# Altium PCB PCB SOM AM625.PcbDoc (part 1 of 6) (continued)
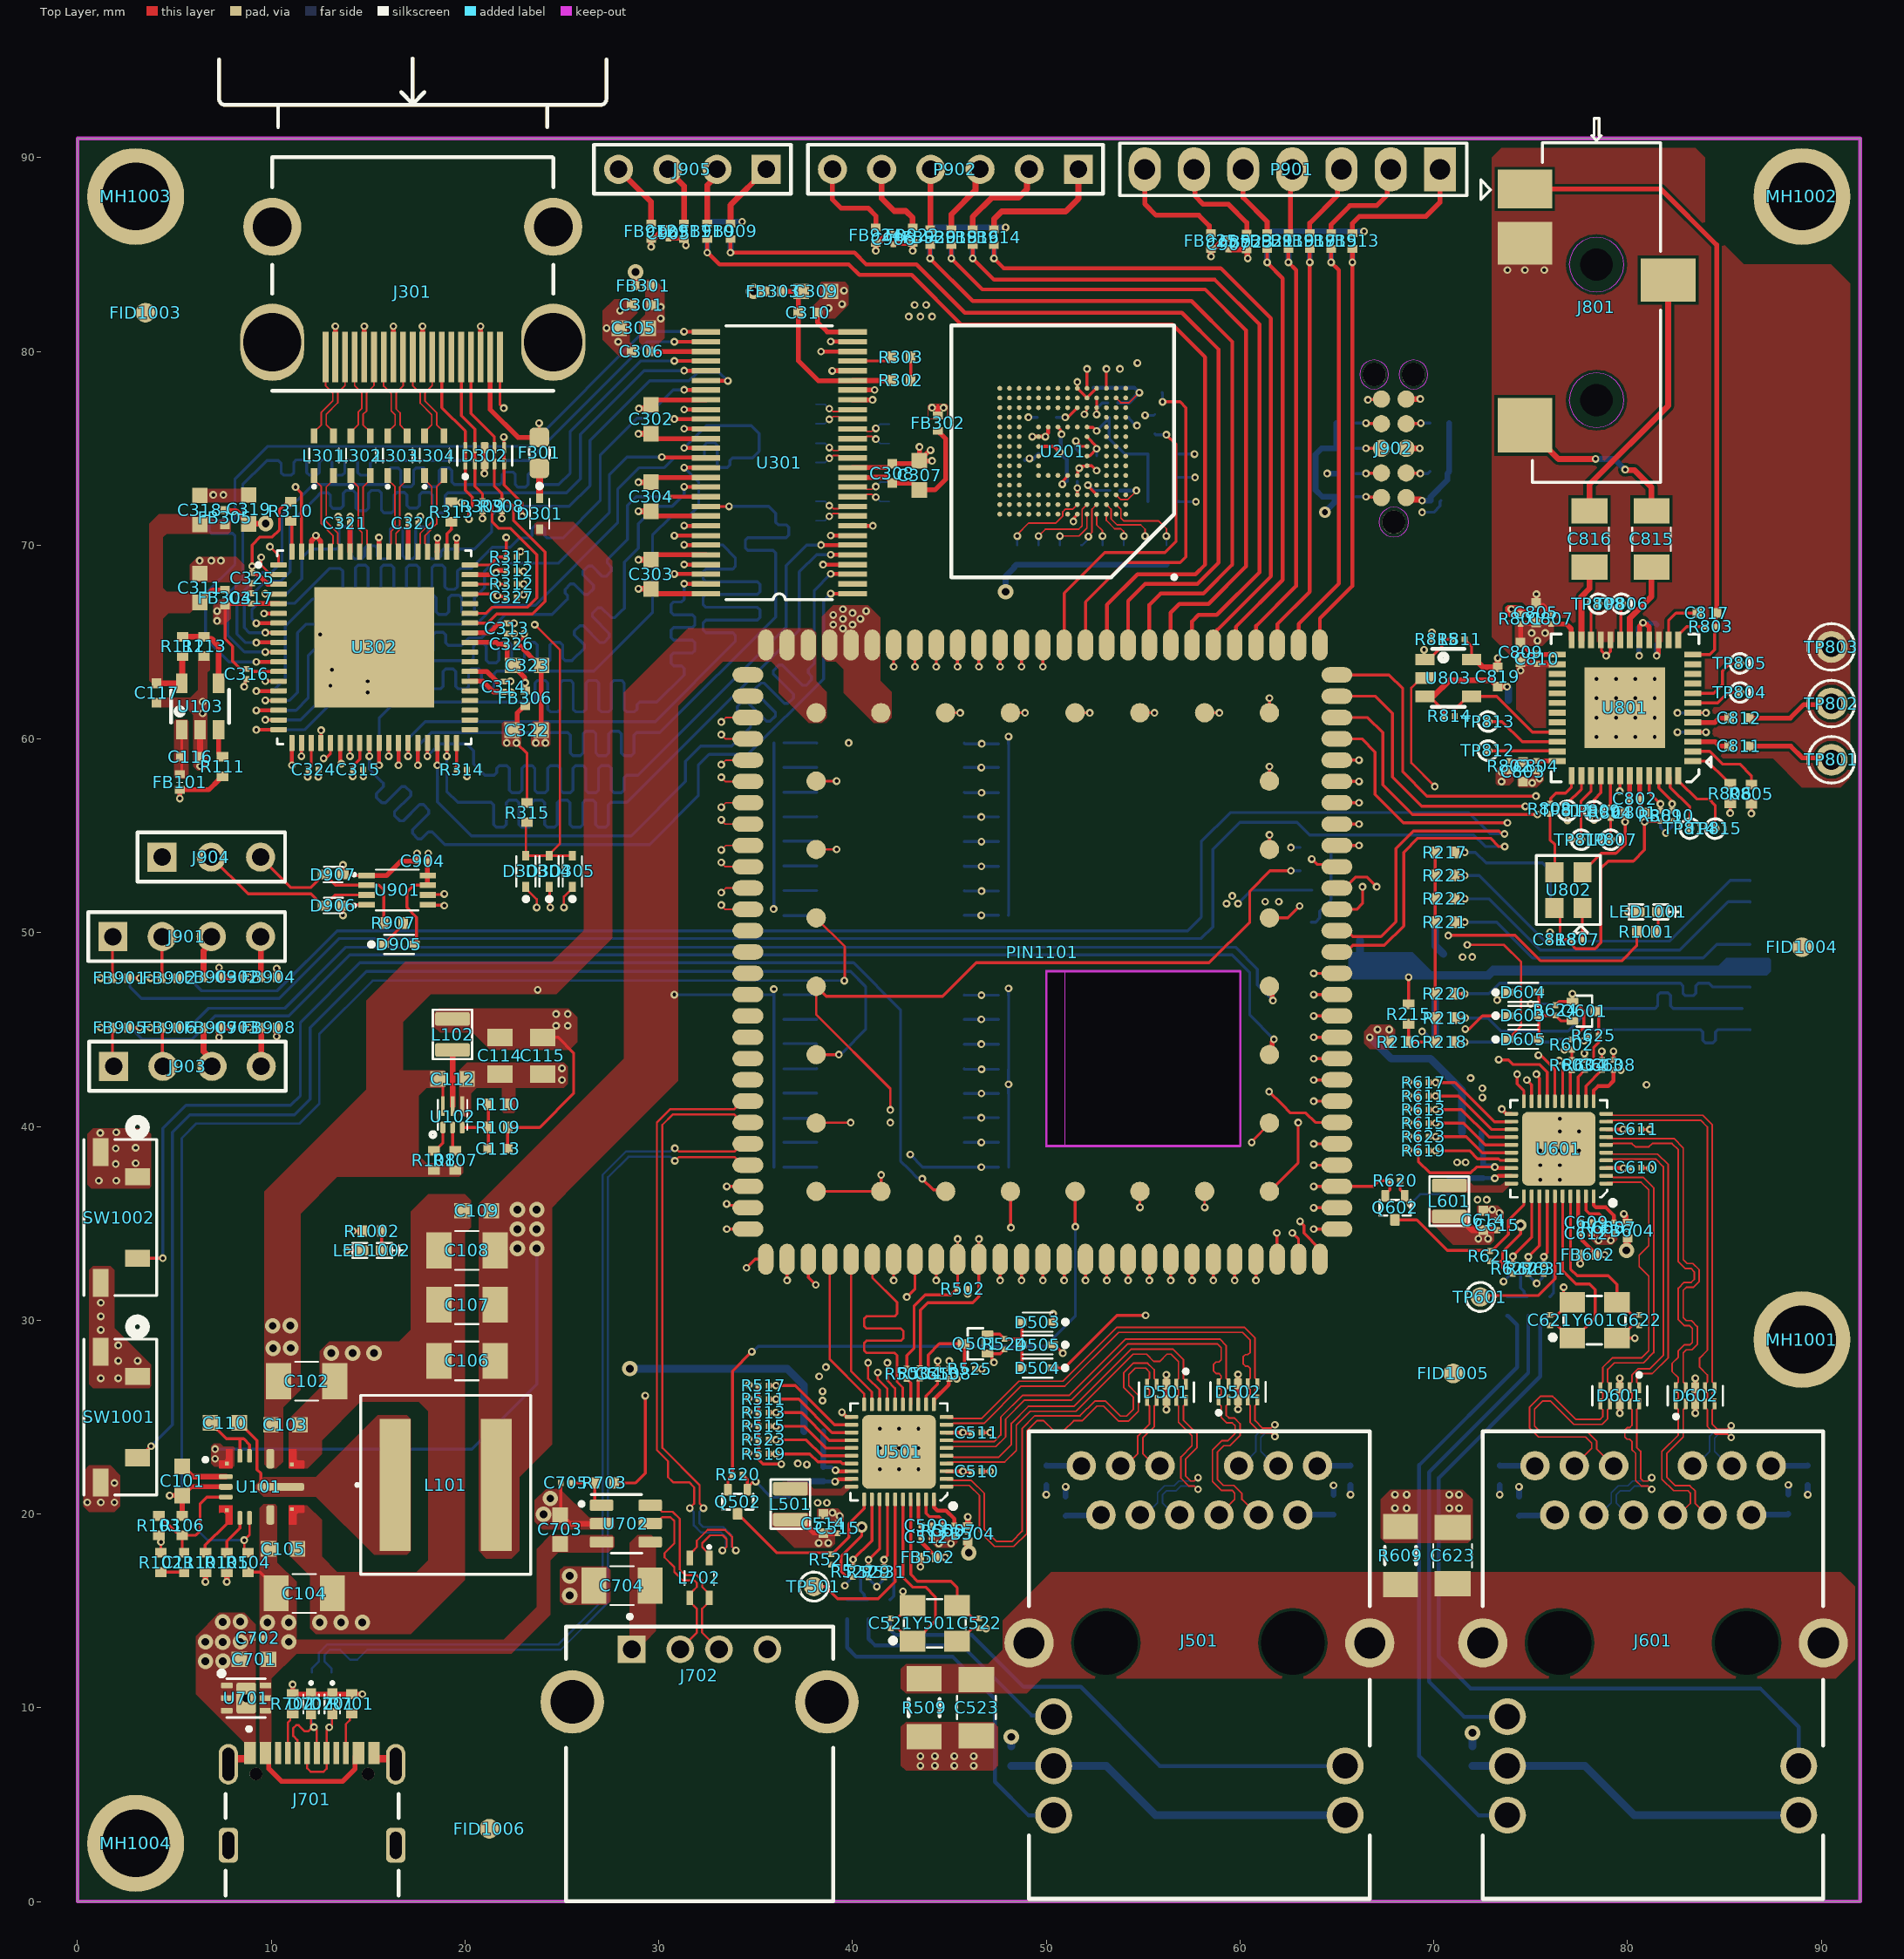
[diagram p0: Top Layer view]
## Components (designator, comment, footprint, x,y, rotation, side; value= is the part's Value field where it differs from the comment) (continued)
FB911 "120R" FB0402 31.3,86.2 r270 top
FB912 "120R" FB0402 29.6,86.2 r270 top
FB913 "120R" FB0402 65.8,85.7 r270 top
FB914 "120R" FB0402 47.3,85.9 r270 top
FB915 "120R" FB0402 64.7,85.7 r270 top
FB916 "120R" FB0402 46.2,85.9 r270 top
FB917 "120R" FB0402 63.6,85.7 r270 top
FB918 "120R" FB0402 45.1,85.9 r270 top
FB919 "120R" FB0402 62.5,85.7 r270 top
FB920 "120R" FB0402 44,85.9 r270 top
FB921 "120R" FB0402 61.4,85.7 r270 top
FB922 "120R" FB0402 43.1,86 r270 top
FB923 "120R" FB0402 60.35,85.675 r270 top
FB924 "120R" FB0402 41.2,86 r270 top
FB925 "120R" FB0402 58.5,85.7 r270 top
FID1001 "FID_1MMC" FID_40X120D 3.5,9.75 r90 bottom
FID1002 "FID_1MMC" FID_40X120D 4.25,78.75 r90 bottom
FID1003 "FID_1MMC" FID_40X120D 3.5,82 r90 top
FID1004 "FID_1MMC" FID_40X120D 89,49.25 r90 top
FID1005 "FID_1MMC" FID_40X120D 71,27.25 r90 top
FID1006 "FID_1MMC" FID_40X120D 21.25,3.75 r90 top
FID1007 "FID_1MMC" FID_40X120D 69.5,2.5 r90 bottom
FID1008 "FID_1MMC" FID_40X120D 89.75,34 r90 bottom
J201 "GTFP08432B1HR" AMPHENOL_GTFP08432B1HR 83.1,46.9 r270 bottom
J301 "47151-0001" HDMI 17.3,83.075 r90 top
J501 "L829-1J1T-43" L829-1J1T-43 57.9,12.2 r180 top locked
J601 "L829-1J1T-43" L829-1J1T-43 81.318,12.2 r180 top locked
J701 "TYPE_C 2.0" GCT_USB4105-GF-A 12.1,2.9 r0 top
J702 "USB_A" GCT_USB1130-15-A_REVA 32.1,10.3 r0 top
J801 "SJ-43514-SMT-TR" CON_AV4_SJ-43514-SMT_S_R_S_5-1 78.4,82 r180 top
J901 "Header 4P" HDR1X4 1.82,49.8 r0 top
J902 "Header 2X5_1" CONNECT10_1D27_12_4X6_7MM 67.998,75 r90 top locked
J903 "Header 4P" HDR1X4 1.86,43.1 r0 top
J904 "Header 1x3" HDR1X3 4.36,53.9 r0 top
J905 "Header 4P" HDR1X4 35.54,89.4 r180 top
L101 "4.7uH" IND_WE-XHMI_8080_WRE 19,21.5 r0 top
L102 "0.47uH" l2016 19.35,44.75 r90 top
L301 "DLW21SN900HQ2L" IND_DLW21S_0805_MUR 12.71,74.616 r90 top
L302 "DLW21SN900HQ2L" IND_DLW21S_0805_MUR 14.61,74.616 r90 top
L303 "DLW21SN900HQ2L" IND_DLW21S_0805_MUR 16.51,74.616 r90 top
L304 "DLW21SN900HQ2L" IND_DLW21S_0805_MUR 18.41,74.616 r90 top
L501 "2.2uH" l2016 36.795,20.505 r270 top
L601 "2.2uH" l2016 70.8,36.15 r270 top
L701 "DLW21SN900HQ2L" IND_DLW21S_0805_MUR 12.6,10.8 r90 bottom
L702 "DLW21SN900HQ2L" IND_DLW21S_0805_MUR 32.1,16.7 r270 top
LED1001 "Green" led0402_G 81.075,51.075 r180 top
LED1002 "Red" led0402_R 15.2,33.6 r180 top
MH1001 "MH_5MMD_3.5MMH" MH_5MMD_3.5MMH 89,29 r90 top
MH1002 "MH_5MMD_3.5MMH" MH_5MMD_3.5MMH 89,88 r90 top
MH1003 "MH_5MMD_3.5MMH" MH_5MMD_3.5MMH 3,88 r90 top
MH1004 "MH_5MMD_3.5MMH" MH_5MMD_3.5MMH 3,3 r90 top
P901 "Header 7" HDR1X7 70.32,89.4 r180 top
P902 "Header 6" HDR1X6 51.66,89.4 r180 top
PIN1101 "Pin OUT AM625" "PIN_OUT AM625 - 136PIN" 50,49 r90 top locked
Q501 "DMG1012T-7" sot_523 46.345,28.78 r180 top
Q502 "DMG1012T-7" sot_523 34.07,20.63 r270 top
Q601 "DMG1012T-7" sot_523 77.775,45.95 r0 top
Q602 "DMG1012T-7" sot_523 68,35.8 r270 top
R101 "100K" R0402 6.6,17.5 r270 top
R102 "1K" R0402 4.3,17.5 r90 top
R103 "100K" R0402 4.2,19.4 r270 top
R104 "100K" R0402 8.8,17.5 r270 top
R105 "32.4K" R0402 7.7,17.5 r90 top
R106 "43.2K" R0402 5.4,19.4 r270 top
R107 "10K" R0402 19.5,38.25 r270 top value=10k
R108 "10K" R0402 18.4,38.25 r270 top value=10k
R109 "200K" R0402 21.7,39.95 r0 top
R110 "100K" R0402 21.7,41.15 r0 top
R111 "10K" R0402 7.475,58.575 r270 top value=10k
R112 "118K" R0402 5.425,64.775 r270 top
R113 "100K" R0402 6.525,64.775 r90 top
R201 "49.9K" R0402 48.5,69.5 r270 bottom
R202 "49.9K" R0402 49.6,69.5 r270 bottom
R203 "49.9K" R0402 51.8,69.5 r270 bottom
R204 "49.9K" R0402 55.1,69.5 r270 bottom
R205 "49.9K" R0402 56.2,69.5 r270 bottom
R206 "49.9K" R0402 50.7,69.5 r270 bottom
R207 "49.9K" R0402 52.9,69.5 r270 bottom
R208 "49.9K" R0402 54,69.5 r270 bottom
R209 "49.9K" R0402 55.975,78.375 r90 bottom
R210 "10K" R0402 53.75,76.6 r0 bottom value=10k
R211 "0R" R0402 55.6,76.25 r90 bottom
R212 "49.9K" R0402 50.025,76.6 r0 bottom
R213 "10K" R0402 51.2,74.8 r0 bottom value=10k
R214 "10K" R0402 64.2,52.2 r180 bottom value=10k
R215 "0R" R0402 68.7,45.8 r90 top
R216 "0R" R0402 68.2,44.35 r0 top
R217 "10K" R0402 70.575,54.15 r180 top value=10k
R218 "10K" R0402 70.575,44.35 r180 top value=10k
R219 "10K" R0402 70.6,45.6 r180 top value=10k
R220 "10K" R0402 70.575,46.85 r180 top value=10k
R221 "NC" R0402 70.575,50.55 r180 top value=10k
R222 "10K" R0402 70.575,51.75 r180 top value=10k
R223 "10K" R0402 70.575,52.95 r180 top value=10k
R301 "100R" R0402 41.9,75.75 r90 bottom
R302 "2.4K" R0402 42.5,78.5 r180 top
R303 "2.4K" R0402 42.5,79.7 r0 top
R304 "100R" R0402 38.1,71.75 r270 bottom
R305 "100R" R0402 41.9,72.75 r270 bottom
R306 "100R" R0402 38.1,74.775 r270 bottom
R307 "100R" R0402 38.1,76.775 r270 bottom
R308 "2.2K" R0201 21.9,72 r270 top
R309 "2.2K" R0201 20.9,72 r270 top
R310 "4.7K" R0402 11,71.75 r90 top
R311 "10K" R0201 22.4,69.4 r180 top
R312 "10K" R0201 22.4,68 r0 top
R313 "4.3K" R0402 19.286,71.716 r90 top
R314 "0R" R0201 19.825,58.425 r180 top
R315 "10K" R0402 23.2,56.2 r90 top value=10k
R401 "1.1K" R0201 36.2,59.8 r180 bottom
R402 "1.1K" R0201 36.2,58.525 r180 bottom
R403 "1.1K" R0201 36.2,57.25 r180 bottom
R404 "1.1K" R0201 36.2,55.975 r180 bottom
R405 "1.1K" R0201 36.2,54.725 r180 bottom
R406 "1.1K" R0201 36.2,53.45 r180 bottom
R407 "1.1K" R0201 36.2,52.175 r180 bottom
R408 "1.1K" R0201 36.2,50.875 r180 bottom
R409 "1.1K" R0201 36.2,46.8 r180 bottom
R410 "1.1K" R0201 36.2,45.525 r180 bottom
R411 "1.1K" R0201 36.2,44.275 r180 bottom
R412 "1.1K" R0201 36.2,42.975 r180 bottom
R413 "1.1K" R0201 36.2,41.725 r180 bottom
R414 "1.1K" R0201 36.2,40.425 r180 bottom
R415 "1.1K" R0201 36.2,39.175 r180 bottom
R416 "1.1K" R0201 36.2,37.9 r180 bottom
R417 "100K" R0201 47.79,59.75 r180 bottom
R418 "100K" R0201 47.79,58.525 r180 bottom
R419 "100K" R0201 47.79,57.225 r180 bottom
R420 "100K" R0201 47.79,55.975 r180 bottom
R421 "100K" R0201 47.79,54.7 r180 bottom
R422 "100K" R0201 47.79,53.425 r180 bottom
R423 "100K" R0201 47.79,52.15 r180 bottom
R424 "100K" R0201 47.79,50.9 r180 bottom
R425 "100K" R0201 47.79,46.775 r180 bottom
R426 "100K" R0201 47.79,45.525 r180 bottom
R427 "100K" R0201 47.79,44.25 r180 bottom
R428 "100K" R0201 47.79,42.95 r180 bottom
R429 "100K" R0201 47.79,41.7 r180 bottom
R430 "100K" R0201 47.79,40.45 r180 bottom
R431 "100K" R0201 47.79,39.175 r180 bottom
R432 "100K" R0201 47.79,37.9 r180 bottom
R501 "DNP" R0402 37.995,24.28 r180 bottom
R502 "2.2K" R0201 45.675,31.625 r0 top
R503 "0R" R0201 42.795,27.24 r270 top
R504 "0R" R0201 43.47,27.255 r270 top
R505 "2.49K" R0201 44.67,19.13 r270 top
R506 "DNP" R0402 40.82,15.08 r270 bottom
R507 "1K" R0402 39.72,15.08 r270 bottom
R508 "1K" R0402 41.92,15.08 r270 bottom
R509 "1M" R1206B/3216MM 43.695,10.005 r90 top
R510 "4.7K" R0201 35.41,25.93 r0 bottom
R511 "DNP" R0201 35.41,25.93 r180 top
R512 "4.7K" R0201 35.41,25.23 r0 bottom
R513 "DNP" R0201 35.41,25.23 r180 top
R514 "DNP" R0201 35.41,24.53 r0 bottom
R515 "4.7K" R0201 35.41,24.53 r180 top
R516 "4.7K" R0201 35.41,26.63 r0 bottom
R517 "DNP" R0201 35.41,26.63 r180 top
R518 "4.7K" R0201 35.41,23.105 r0 bottom
R519 "DNP" R0201 35.41,23.105 r180 top
R520 "10K" R0201 34.07,22.03 r0 top
R521 "10K" R0201 38.9,17.65 r270 top
R522 "4.7K" R0201 35.41,23.83 r0 bottom
R523 "DNP" R0201 35.41,23.83 r180 top
R524 "10K" R0201 47.845,28.765 r270 top
R525 "10K" R0201 46.045,27.48 r0 top
R526 "4.7K" R0201 40.02,17.02 r90 bottom
R527 "DNP" R0201 40.02,17.02 r270 top
R528 "4.7K" R0201 40.82,17.002 r90 bottom
R529 "DNP" R0201 40.82,17.002 r270 top
R530 "DNP" R0201 41.62,17.002 r90 bottom
R531 "4.7K" R0201 41.62,17.002 r270 top
R601 "DNP" R0402 71.95,39.7 r180 bottom
R602 "2.2K" R0201 77.125,44.225 r90 top
R603 "0R" R0201 77.125,43.16 r270 top
R604 "0R" R0201 77.8,43.175 r270 top
R605 "2.49K" R0201 78.725,34.775 r270 top
R606 "DNP" R0402 74.875,30.725 r270 bottom
R607 "1K" R0402 73.775,30.725 r270 bottom
R608 "1K" R0402 75.975,30.725 r270 bottom
R609 "1M" R1206B/3216MM 68.275,17.85 r270 top
R610 "4.7K" R0201 69.465,41.575 r0 bottom
R611 "DNP" R0201 69.465,41.575 r180 top
R612 "4.7K" R0201 69.465,40.875 r0 bottom
R613 "DNP" R0201 69.465,40.875 r180 top
R614 "DNP" R0201 69.465,40.175 r0 bottom
R615 "4.7K" R0201 69.465,40.175 r180 top
R616 "4.7K" R0201 69.465,42.275 r0 bottom
R617 "DNP" R0201 69.465,42.275 r180 top
R618 "4.7K" R0201 69.465,38.75 r0 bottom
R619 "DNP" R0201 69.465,38.75 r180 top
R620 "10K" R0201 68,37.2 r0 top
R621 "10K" R0201 72.9,33.3 r270 top
R622 "4.7K" R0201 69.465,39.475 r0 bottom
R623 "DNP" R0201 69.465,39.475 r180 top
R624 "10K" R0201 76.275,45.99 r90 top
R625 "10K" R0201 78.25,44.7 r180 top
R626 "4.7K" R0201 74.075,32.665 r90 bottom
R627 "DNP" R0201 74.075,32.665 r270 top
R628 "4.7K" R0201 74.875,32.647 r90 bottom
R629 "DNP" R0201 74.875,32.647 r270 top
R630 "DNP" R0201 75.675,32.647 r90 bottom
R631 "4.7K" R0201 75.675,32.647 r270 top
R701 "5.1K" R0402 14.15,10.2 r270 top
R702 "5.1K" R0402 11.1,10.2 r270 top
R703 "1K" R0402 27.2,21.6 r180 top
R801 "0R" R0201 74.475,66.2 r270 top
R802 "0R" R0201 73.9,58.6 r90 top
R803 "2.2K" R0201 84.3,65.8 r180 top
R804 "0R" R0201 79.125,56.2 r90 top
R805 "0R" R0402 86.393,57.15 r90 top
R806 "0R" R0402 85.3,57.175 r90 top
R807 "10K" R0201 77.4,49.65 r180 top
R808 "0R" R0201 76,56.4 r270 top
R809 "10K" R0201 81.7,56.025 r270 top
R810 "10K" R0201 82.3,56.025 r270 top
R811 "10K" R0201 71.325,65.15 r0 top
R812 "DNI" R0201 81.7,56.025 r90 bottom
R813 "DNI" R0201 82.3,56.025 r90 bottom
R814 "10K" R0201 70.825,61.175 r0 top
R815 "DNI" R0201 70.16,65.15 r0 top
R901 "10K" R0402 70.3,76.3 r0 bottom value=10k
R902 "10K" R0402 70.3,73.8 r0 bottom value=10k
R903 "10K" R0402 65.47,75 r180 bottom value=10k
R904 "10K" R0402 65.47,72.5 r180 bottom value=10k
R905 "10K" R0402 65.47,76.3 r180 bottom value=10k
R906 "10K" R0402 65.47,73.7 r0 bottom value=10k
R907 "10K" R0402 16.3,50.5 r0 top value=10k
R1001 "2.2K" R0402 80.975,50.05 r180 top
R1002 "2.2K" R0402 15.2,34.6 r180 top
SW401 "416131160808" SW_416131160808 41.95,55.35 r180 bottom
SW402 "416131160808" SW_416131160808 41.95,42.35 r180 bottom
SW1001 "TL3330AF260QG" SW_TL3330_EWI 2.2,25 r270 top
SW1002 "TL3330AF260QG" SW_TL3330_EWI 2.2,35.3 r270 top
TP501 "" "Test Point 1 MM" 38,16.25 r270 top
TP601 "" "Test Point 1 MM" 72.4,31.2 r90 top
TP801 "THRU HOLE" TP_40X65 90.525,58.925 r0 top
TP802 "THRU HOLE" TP_40X65 90.525,61.825 r90 top
TP803 "THRU HOLE" TP_40X65 90.525,64.75 r90 top
TP804 "TP20_SMD" TP20_SMD 85.8,62.4 r90 top
TP805 "TP20_SMD" TP20_SMD 85.8,63.9 r90 top
TP806 "TP20_SMD" TP20_SMD 79.7,66.975 r90 top
TP807 "TP20_SMD" TP20_SMD 79.125,54.8 r90 top
TP808 "TP20_SMD" TP20_SMD 78.5,66.975 r90 top
TP809 "TP20_SMD" TP20_SMD 78.275,56.275 r90 top
TP810 "TP20_SMD" TP20_SMD 77.6,54.8 r90 top
TP811 "TP20_SMD" TP20_SMD 76.9,56.3 r90 top
TP812 "TP20_SMD" TP20_SMD 72.8,59.4 r90 top
TP813 "TP20_SMD" TP20_SMD 72.8,60.9 r90 top
TP814 "TP20_SMD" TP20_SMD 83.225,55.375 r90 top
TP815 "TP20_SMD" TP20_SMD 84.525,55.375 r90 top
U101 "LMQ61460AASRJRR" 14-VFQFN 9.5,21.4 r0 top
U102 "TLV62595DMQR" VSON6_0D5_1D5X1D5X1MM 19.4,40.35 r90 top
U103 "TLV75801PDBVR" SOT23-5 6.325,61.675 r90 top
U201 "KLMBG2JETD-B041" BGA153C50P14X14_1150X1300X80 50.85,74.85 r180 top locked
U202 "TPS22918DBVR" SOT23-6 64.945,49.6 r0 bottom
U301 "SN75LVDS82DGGR" SOP50P810X120-56N 36.215,74.254 r180 top locked
U302 "SII9022ACNU" QFN50P1000X1000X90-73N 15.31,64.731 r0 top
U501 "RTL8211" qfn40_0D4_5x5mm 42.395,23.205 r180 top value=RTL8211F-VD-CG
U601 "RTL8211" qfn40_0D4_5x5mm 76.45,38.85 r180 top value=RTL8211F-VD-CG
U701 "TVS0500DRVR" wson6_0d65_2x2x0_8mm 8.7,10.5 r0 top
U702 "TPD3S014DBVR" SOT23-6 28.3,19.5 r0 top
U801 "TLV320AIC3106IRGZT" VQFN48_19-68_285X285 79.869,61.606 r180 top locked
U802 "12.288MHz" OSC4_KC2520B_100X80_SMD_0-8 76.95,52.2 r90 top
U803 "SN74LVC1G08DBVRE4" SOT23-5 70.75,63.15 r0 top
U901 "SN74LVC2G241DCUR" DCU8-M 16.5,52.2 r0 top
Y501 "25MHz" x4-smd-3_2x2_5x1_0mm 44.245,14.355 r0 top
Y601 "25MHz" x4-smd-3_2x2_5x1_0mm 78.3,30 r0 top locked

## Footprints (in the part's own frame and the unit in brackets; to place one, negate y for a bottom-side part, rotate by r counter-clockwise, add the part's x,y. Pads: shape width x height; smd on the part's side, far side on the other; paste and mask are expansions set on the pad)
10-USON [mm]
  rrect25% 0.565x0.2 smd mask+0: 1(-0.417,1) 2(-0.417,0.5) 4(-0.417,-0.5) 5(-0.417,-1) 6(0.417,-1) 7(0.417,-0.5) 9(0.417,0.5) 10(0.417,1)
  rrect25% 0.565x0.4 smd paste-1 mask+0: 3(-0.417,0) 8(0.417,0)
  silkscreen extent -1.17,-1.42 0.5,1.42, body extent -0.5,-1.25 0.5,1.25, height 0.55
14-VFQFN [mm]
  rect 0.2x0.2 smd paste-1 mask+0: 1(-1.8,1.2) 5(-1.8,-1.2) 9(1.55,-1.15) 11(1.55,1.15)
  rrect50% 0.7x0.25 smd mask+0: 2(-1.85,0.525) 4(-1.85,-0.525)
  rrect50% 0.7x0.3 smd mask+0: 3(-1.85,0)
  rrect50% 0.25x0.7 smd mask+0: 6(-1.125,-1.6) 7(-0.625,-1.6) 13(-0.625,1.6) 14(-1.125,1.6)
  rrect50% 0.4x1 smd mask+0: 8(0.45,-1.45) 12(0.45,1.45)
  rrect50% 2.4x0.4 smd paste-2 mask+0: 10(1,0)
  Top Layer region: 187 vertices and 0 holes, not listed, extent -2.2,0.95 -1.5,1.95
  Top Layer region: 187 vertices and 0 holes, not listed, extent -2.2,-1.95 -1.5,-0.95
  Top Layer region: 187 vertices and 0 holes, not listed, extent 1.4,0.95 2.2,1.95
  Top Layer region: 187 vertices and 0 holes, not listed, extent 1.4,-1.95 2.2,-0.95
  silkscreen extent -3,1.3 -2.8,1.5, body extent -2,-1.75 2,1.75, height 1
AMPHENOL_GTFP08432B1HR [mm]
  rect 0.8x1.5 smd: 1(1.915,-3.225) 2(0.815,-2.825) 3(-0.285,-3.225) 4(-1.385,-3.425) 5(-2.485,-3.225) 6(-3.585,-3.425) 7(-4.685,-3.225) 8(-5.785,-3.225)
  rect 1.8x1.4 smd: 9(-4.975,7.075) 10(0.725,7.075)
  rect 1.4x1.9 smd: 11(-6.575,-6.075) 12(6.575,-7.075)
  silkscreen extent -7.02,-8.92 8.12,7.48, body extent -7.24,-8.9 7.18,7.55, height 1.92
BGA153C50P14X14_1150X1300X80 [mm]
  round 0.25 smd mask+0.05: A1(-3.25,3.25) A2(-2.75,3.25) A3(-2.25,3.25) A4(-1.75,3.25) A5(-1.25,3.25) A6(-0.75,3.25) A7(-0.25,3.25) A8(0.25,3.25) A9(0.75,3.25) A10(1.25,3.25) A11(1.75,3.25) A12(2.25,3.25) A13(2.75,3.25) A14(3.25,3.25) B1(-3.25,2.75) B2(-2.75,2.75) B3(-2.25,2.75) B4(-1.75,2.75) B5(-1.25,2.75) B6(-0.75,2.75) B7(-0.25,2.75) B8(0.25,2.75) B9(0.75,2.75) B10(1.25,2.75) B11(1.75,2.75) B12(2.25,2.75) B13(2.75,2.75) B14(3.25,2.75) C1(-3.25,2.25) C2(-2.75,2.25) C3(-2.25,2.25) C4(-1.75,2.25) C5(-1.25,2.25) C6(-0.75,2.25) C7(-0.25,2.25) C8(0.25,2.25) C9(0.75,2.25) C10(1.25,2.25) C11(1.75,2.25) C12(2.25,2.25) C13(2.75,2.25) C14(3.25,2.25) D1(-3.25,1.75) D2(-2.75,1.75) D3(-2.25,1.75) D4(-1.75,1.75) D12(2.25,1.75) D13(2.75,1.75) D14(3.25,1.75) E1(-3.25,1.25) E2(-2.75,1.25) E3(-2.25,1.25) E5(-1.25,1.25) E6(-0.75,1.25) E7(-0.25,1.25) E8(0.25,1.25) E9(0.75,1.25) E10(1.25,1.25) E12(2.25,1.25) E13(2.75,1.25) E14(3.25,1.25) F1(-3.25,0.75) F2(-2.75,0.75) F3(-2.25,0.75) F5(-1.25,0.75) F10(1.25,0.75) F12(2.25,0.75) F13(2.75,0.75) F14(3.25,0.75) G1(-3.25,0.25) G2(-2.75,0.25) G3(-2.25,0.25) G5(-1.25,0.25) G10(1.25,0.25) G12(2.25,0.25) G13(2.75,0.25) G14(3.25,0.25) H1(-3.25,-0.25) H2(-2.75,-0.25) H3(-2.25,-0.25) H5(-1.25,-0.25) H10(1.25,-0.25) H12(2.25,-0.25) H13(2.75,-0.25) H14(3.25,-0.25) J1(-3.25,-0.75) J2(-2.75,-0.75) J3(-2.25,-0.75) J5(-1.25,-0.75) J10(1.25,-0.75) J12(2.25,-0.75) J13(2.75,-0.75) J14(3.25,-0.75) K1(-3.25,-1.25) K2(-2.75,-1.25) K3(-2.25,-1.25) K5(-1.25,-1.25) K6(-0.75,-1.25) K7(-0.25,-1.25) K8(0.25,-1.25) K9(0.75,-1.25) K10(1.25,-1.25) K12(2.25,-1.25) K13(2.75,-1.25) K14(3.25,-1.25) L1(-3.25,-1.75) L2(-2.75,-1.75) L3(-2.25,-1.75) L12(2.25,-1.75) L13(2.75,-1.75) L14(3.25,-1.75) M1(-3.25,-2.25) M2(-2.75,-2.25) M3(-2.25,-2.25) M4(-1.75,-2.25) M5(-1.25,-2.25) M6(-0.75,-2.25) M7(-0.25,-2.25) M8(0.25,-2.25) M9(0.75,-2.25) M10(1.25,-2.25) M11(1.75,-2.25) M12(2.25,-2.25) M13(2.75,-2.25) M14(3.25,-2.25) N1(-3.25,-2.75) N2(-2.75,-2.75) N3(-2.25,-2.75) N4(-1.75,-2.75) N5(-1.25,-2.75) N6(-0.75,-2.75) N7(-0.25,-2.75) N8(0.25,-2.75) N9(0.75,-2.75) N10(1.25,-2.75) N11(1.75,-2.75) N12(2.25,-2.75) N13(2.75,-2.75) N14(3.25,-2.75) P1(-3.25,-3.25) P2(-2.75,-3.25) P3(-2.25,-3.25) P4(-1.75,-3.25) P5(-1.25,-3.25) P6(-0.75,-3.25) P7(-0.25,-3.25) P8(0.25,-3.25) P9(0.75,-3.25) P10(1.25,-3.25) P11(1.75,-3.25) P12(2.25,-3.25) P13(2.75,-3.25) P14(3.25,-3.25)
  silkscreen extent -5.85,-6.5 5.75,6.6, body extent -5.75,-6.5 5.75,6.5, height 0.8
C0201 [mm]
  rect 0.3x0.3 smd mask+0.04: 1(-0.265,0) 2(0.265,0)
  body extent -0.3,-0.15 0.3,0.15, height 0.3
C0402 [mm]
  rect 0.5x0.5 smd: 1(-0.5,0) 2(0.5,0)
  body extent -0.5,-0.25 0.5,0.25, height 0.56
C0603 [mm]
  rect 0.8x0.8 smd: 1(-0.75,0) 2(0.75,0)
  body extent -0.8,-0.42 0.8,0.44, height 0.95
C0805 [mm]
  rect 0.9x1.3 smd: 1(-0.95,0) 2(0.95,0)
  body extent -1,-0.6 1,0.6, height 1.5
C1206B/3216MM [mm] "Chip Capacitor, 2-Leads, Body 3.2x1.6mm, IPC Medium Density"
  rect 1.3x1.85 smd: 1(-1.45,0) 2(1.45,0)
  silkscreen extent -0.6,-1 0.6,1, body extent -1.6,-0.8 1.6,0.8, height 1.6
CON_AV4_SJ-43514-SMT_S_R_S_5-1 [mil] "CON_AV4_SJ-43514-SMT_S_R_S_5-1"
  rect 111x79 smd: 1(145.67,-251.38)
  rect 111x111 smd: 2(145.67,228.94)
  rect 111x87 smd: 3(-145.67,-66.34) 4(145.67,-141.14)
  round 61 hole 66 unplated: ""(0,177.76) ""(0,-97.84)
  Multi-Layer keep-out region: 0,122.28 14.36,124.17 27.74,129.71 39.23,138.53 48.05,150.02 53.59,163.4 55.48,177.76 53.59,192.11 48.05,205.49 48.05,205.49 39.23,216.99 27.74,225.8 14.36,231.34 0,233.23 -14.36,231.34 -27.74,225.8 -39.23,216.99 -48.05,205.49 -48.05,205.49 -53.59,192.11 -55.48,177.76 -53.59,163.4 -48.05,150.02 -39.23,138.53 -27.74,129.71 -14.36,124.17 0,122.28
  Multi-Layer keep-out region: 0,-153.31 14.36,-151.42 27.74,-145.88 39.23,-137.06 48.05,-125.57 53.59,-112.19 55.48,-97.84 53.59,-83.48 48.05,-70.1 48.05,-70.1 39.23,-58.6 27.74,-49.79 14.36,-44.25 0,-42.36 -14.36,-44.25 -27.74,-49.79 -39.23,-58.6 -48.05,-70.1 -48.05,-70.1 -53.59,-83.48 -55.48,-97.84 -53.59,-112.19 -48.05,-125.57 -39.23,-137.06 -27.74,-145.88 -14.36,-151.42 0,-153.31
  silkscreen extent -130,-395 235,345, body extent -177,-337 177,337, height 217
CONNECT10_1D27_12_4X6_7MM [mm] "CONNECT10_1D27_12_4X6_7MM"
  round 0.89 smd: 1(-2.54,-0.572) 2(-1.27,-0.572) 3(0,-0.572) 4(1.27,-0.571) 5(2.54,-0.571) 6(2.54,0.699) 7(1.27,0.699) 8(0,0.699) 9(-1.27,0.698) 10(-2.54,0.698)
  round 1.2 hole 1.2 unplated: ""(-3.81,0.063) ""(3.81,-0.951) ""(3.81,1.078)
  Multi-Layer keep-out region: -4.579,0.063 -4.552,-0.135 -4.476,-0.321 -4.353,-0.48 -4.194,-0.602 -4.009,-0.679 -3.81,-0.705 -3.611,-0.679 -3.426,-0.602 -3.426,-0.602 -3.267,-0.48 -3.144,-0.321 -3.068,-0.135 -3.041,0.063 -3.068,0.262 -3.144,0.448 -3.267,0.607 -3.426,0.729 -3.426,0.729 -3.611,0.806 -3.81,0.832 -4.009,0.806 -4.194,0.729 -4.353,0.607 -4.476,0.448 -4.552,0.262 -4.579,0.063
  Multi-Layer keep-out region: 3.062,1.078 3.088,0.885 3.162,0.705 3.281,0.55 3.436,0.431 3.616,0.356 3.81,0.331 4.004,0.356 4.184,0.431 4.184,0.431 4.339,0.55 4.458,0.705 4.532,0.885 4.558,1.078 4.532,1.272 4.458,1.452 4.339,1.607 4.184,1.726 4.184,1.726 4.004,1.801 3.81,1.826 3.616,1.801 3.436,1.726 3.281,1.607 3.162,1.452 3.088,1.272 3.062,1.078
  Multi-Layer keep-out region: 3.064,-0.951 3.089,-1.145 3.164,-1.325 3.282,-1.479 3.437,-1.598 3.617,-1.672 3.81,-1.698 4.003,-1.672 4.183,-1.598 4.183,-1.598 4.338,-1.479 4.456,-1.325 4.531,-1.145 4.556,-0.951 4.531,-0.758 4.456,-0.578 4.338,-0.424 4.183,-0.305 4.183,-0.305 4.003,-0.231 3.81,-0.205 3.617,-0.231 3.437,-0.305 3.282,-0.424 3.164,-0.578 3.089,-0.758 3.064,-0.951
  body extent -6.2,-4.17 6.25,4.17, height 29.28
DCU8-M [mm]
  rect 0.85x0.3 smd paste+0 mask+0: 1(-1.576,0.75) 2(-1.576,0.25) 3(-1.576,-0.25) 4(-1.576,-0.75) 5(1.576,-0.75) 6(1.576,-0.25) 7(1.576,0.25) 8(1.576,0.75)
  silkscreen extent -1.1,-1.05 1.12,1.05, body extent -1.6,-1.05 1.6,1.05, height 0.89
DIO_TPD1E05U06DPYR [mm]
  rect 0.6x0.5 smd: 1(-0.5,0) 2(0.5,0)
  silkscreen extent -1.15,-0.4 0.5,0.4, body extent -0.55,-0.35 0.55,0.35, height 0.4
f0603 [mil]
  rrect40% 39.36x39.36 smd: 1(-31.5,0) 2(31.5,0)
  silkscreen extent -11,-21 11,21, body extent -32,-17 32,17, height 19
FB0402 [mm]
  rect 0.4x0.5 smd: 1(-0.4,0) 2(0.4,0)
  silkscreen extent 0,-0.15 0,0.15, body extent -0.5,-0.25 0.5,0.25, height 0.5
FID_40X120D [mil]
  round 40 smd paste-40 mask+40: 1(0,0)
GCT_USB1130-15-A_REVA [mm]
  rect 1.428x1.428 / inner round 1.428 / far side rect 1.428x1.428 hole 0.92: 1(-3.5,2.71)
  round 1.428 hole 0.92: 2(-1,2.71) 3(1,2.71) 4(3.5,2.71)
  round 3.276 hole 2.26: 5(-6.57,0) 6(6.57,0)
  silkscreen extent -6.9,-10.28 6.9,4.5, body extent -7.8,-10.28 7.8,3.88, height 6.99
GCT_USB4105-GF-A [mm]
  rect 0.3x1.15 smd: A5(-1.25,4.755) A6(-0.25,4.755) A7(0.25,4.755) A8(1.25,4.755) B5(1.75,4.755) B6(0.75,4.755) B7(-0.75,4.755) B8(-1.75,4.755)
  rect 0.6x1.15 smd: B1(3.2,4.755) B4(2.4,4.755) B9(-2.4,4.755) B12(-3.2,4.755)
  oval 1x2.1 hole 0.6 slot 1.7 at 90 deg: S1(-4.32,4.18) S2(4.32,4.18)
  rrect50% 1x1.8 hole 0.6 slot 1.4 at 90 deg: S3(-4.32,0) S4(4.32,0)
  round 0.65 hole 0.65 unplated: ""(-2.89,3.68) ""(2.89,3.68)
  silkscreen extent -4.47,-2.6 4.47,6.1, body extent -4.47,-2.6 4.47,5.11, height 3.31
HDMI [mm]
  rect 2.6x0.3 smd mask+0.025: 1(-3.36,4.5) 2(-3.36,4) 3(-3.36,3.5) 4(-3.36,3) 5(-3.36,2.5) 6(-3.36,2) 7(-3.36,1.5) 8(-3.36,1) 9(-3.36,0.5) 10(-3.36,0) 11(-3.36,-0.5) 12(-3.36,-1) 13(-3.36,-1.5) 14(-3.36,-2) 15(-3.36,-2.5) 16(-3.36,-3) 17(-3.36,-3.5) 18(-3.36,-4) 19(-3.36,-4.5)
  oval 4x3.3 hole 3: 20(-2.6,7.25) 23(-2.6,-7.25)
  round 3 hole 2: 21(3.36,7.25) 22(3.36,-7.25)
  silkscreen extent -5.1,-10 12.05,10, body extent -4.2,-7.5 7.95,7.5, height 6.28
HDR1X3 [mm] "Connector; Header; 3 Position"
  rect 1.5x1.5 hole 0.9: 1(0,0)
  round 1.5 hole 0.9: 2(2.54,0) 3(5.08,0)
  silkscreen extent -1.27,-1.27 6.35,1.27, body extent -1.27,-1.27 6.35,1.27, height 7
HDR1X4 [mm] "Connector; Header; 4 Position"
  rect 1.5x1.5 hole 0.9: 1(0,0)
  round 1.5 hole 0.9: 2(2.54,0) 3(5.08,0) 4(7.62,0)
  silkscreen extent -1.27,-1.27 8.89,1.27, body extent -1.27,-1.27 8.89,1.27, height 7
HDR1X6 [mm] "Connector; Header; 6 Position"
  rect 1.5x1.5 hole 0.9: 1(0,0)
  round 1.5 hole 0.9: 2(2.54,0) 3(5.08,0) 4(7.62,0) 5(10.16,0) 6(12.7,0)
  silkscreen extent -1.27,-1.27 13.97,1.27, body extent -1.27,-1.27 13.97,1.27, height 7
HDR1X7 [mil] "JP7"
  rect 65x90 hole 42: 1(0,0)
  oval 65x90 hole 42: 2(100,0) 3(200,0) 4(300,0) 5(400,0) 6(500,0) 7(600,0)
  silkscreen extent -54,-53 651,53, body extent -50,-49 646,49, height 323
IND_DLW21S_0805_MUR [mm]
  rect 0.755x0.349 smd paste+0 mask+0: 1(-1.027,0.5) 2(1.027,0.5) 3(1.027,-0.5) 4(-1.027,-0.5)
  silkscreen extent -1.68,-0.77 0.36,0.75, body extent -1.1,-0.7 1.1,0.7, height 1.4
IND_WE-XHMI_8080_WRE [mil]
  rect 63x268 smd paste+0 mask+0: 1(-102.5,0) 2(102.5,0)
  silkscreen extent -182,-182 172,182, body extent -167,-177 167,177, height 283
L829-1J1T-43 [mil]
  round 60 hole 35.43: 1(-200,-305) 2(-120,-305) 3(-40,-305) 4(40,-305) 5(120,-305) 6(200,-305) 7(-240,-405) 8(-160,-405) 9(-80,-405) 10(80,-405) 11(160,-405) 12(240,-405)
  round 75 hole 51.18: 13(-296,205) 14(-296,305) 15(296,105) 16(296,205) 17(296,305)
  round 100 hole 63: 18(-346,-45) 19(346,-45)
  round 0 hole 129.92: ""(-190,-45) ""(190,-45)
  silkscreen extent -346,-475 346,475, body extent -401,-472 401,494, height 494
l2016 [mil]
  rrect29% 27.56x70.86 smd: 1(-31.5,0) 2(31.5,0)
  silkscreen extent -50,-40 50,40, body extent -39,-31 39,31, height 39
led0402_G [mil]
  rect 25x20 smd: 1(-20,0) 2(20,0)
  silkscreen extent -65,-15 40,15, body extent -20,-12 20,12, height 8
led0402_R [mil]
  rect 25x20 smd: 1(-20,0) 2(20,0)
  silkscreen extent -65,-15 40,15, body extent -20,-12 20,12, height 8
MH_5MMD_3.5MMH [mm]
  round 5 hole 3.5: 1(0,0)
OSC4_KC2520B_100X80_SMD_0-8 [mil] "OSC4_KC2520B_100X80_SMD_0-8"
  rect 41x37 smd: 1(-36.42,-28.54) 2(36.42,-28.54) 3(36.42,28.54) 4(-36.42,28.54)
  silkscreen extent -88,-65 70,65, body extent -49,-39 49,39, height 31
"PIN_OUT AM625 - 136PIN" [mm]
  oval 1.6x0.8 smd: 1(-15.85,-14.121) 2(-15.85,-13.021) 3(-15.85,-11.921) 4(-15.85,-10.821) 5(-15.85,-9.721) 6(-15.85,-8.621) 7(-15.85,-7.521) 8(-15.85,-6.421) 9(-15.85,-5.321) 10(-15.85,-4.221) 11(-15.85,-3.121) 12(-15.85,-2.021) 13(-15.85,-0.921) 14(-15.85,0.179) 15(-15.85,1.279) 16(-15.85,2.379) 17(-15.85,3.479) 18(-15.85,4.579) 19(-15.85,5.679) 20(-15.85,6.779) 21(-15.85,7.879) 22(-15.85,8.979) 23(-15.85,10.079) 24(-15.85,11.179) 25(-15.85,12.279) 26(-15.85,13.379) 27(-15.85,14.479) 55(15.85,14.475) 56(15.85,13.379) 57(15.85,12.279) 58(15.85,11.179) 59(15.85,10.079) 60(15.85,8.979) 61(15.85,7.879) 62(15.85,6.779) 63(15.85,5.679) 64(15.85,4.579) 65(15.85,3.479) 66(15.85,2.379) 67(15.85,1.279) 68(15.85,0.179) 69(15.85,-0.921) 70(15.85,-2.021) 71(15.85,-3.121) 72(15.85,-4.221) 73(15.85,-5.321) 74(15.85,-6.421) 75(15.85,-7.521) 76(15.85,-8.621) 77(15.85,-9.721) 78(15.85,-10.821) 79(15.85,-11.921) 80(15.85,-13.021) 81(15.85,-14.121)
  oval 0.8x1.6 smd: 28(-14.294,15.4) 29(-13.194,15.4) 30(-12.094,15.4) 31(-10.994,15.4) 32(-9.894,15.4) 33(-8.794,15.4) 34(-7.694,15.4) 35(-6.594,15.4) 36(-5.494,15.4) 37(-4.394,15.4) 38(-3.294,15.4) 39(-2.194,15.4) 40(-1.094,15.4) 41(0.006,15.4) 42(1.106,15.4) 43(2.206,15.4) 44(3.306,15.4) 45(4.406,15.4) 46(5.506,15.4) 47(6.606,15.4) 48(7.706,15.4) 49(8.806,15.4) 50(9.906,15.4) 51(11.006,15.4) 52(12.106,15.4) 53(13.206,15.4) 54(14.306,15.4) 82(14.306,-15) 83(13.206,-15) 84(12.106,-15) 85(11.006,-15) 86(9.906,-15) 87(8.806,-15) 88(7.706,-15) 89(6.606,-15) 90(5.506,-15) 91(4.406,-15) 92(3.306,-15) 93(2.206,-15) 94(1.106,-15) 95(0.006,-15) 96(-1.094,-15) 97(-2.194,-15) 98(-3.294,-15) 99(-4.394,-15) 100(-5.494,-15) 101(-6.594,-15) 102(-7.694,-15) 103(-8.794,-15) 104(-9.894,-15) 105(-10.994,-15) 106(-12.094,-15) 107(-13.194,-15) 108(-14.294,-15)
  round 1 smd: 109(-12.35,11.879) 110(-8.821,11.879) 111(-5.292,11.879) 112(-1.763,11.879) 113(1.766,11.879) 114(5.295,11.879) 115(8.824,11.879) 116(12.353,11.879) 117(12.353,8.537) 118(12.353,5.195) 119(12.353,1.853) 120(12.353,-1.489) 121(12.353,-4.831) 122(12.353,-8.173) 123(12.353,-11.515) 124(8.824,-11.515) 125(5.295,-11.515) 126(1.766,-11.515) 127(-1.763,-11.515) 128(-5.292,-11.515) 129(-8.821,-11.515) 130(-12.35,-11.515) 131(-12.35,-8.173) 132(-12.35,-4.831) 133(-12.35,-1.489) 134(-12.35,1.853) 135(-12.35,5.195) 136(-12.35,8.537)
  body extent -16.25,-15.45 16.25,15.75, height 3.6
qfn40_0D4_5x5mm [mm]
  rrect50% 0.7x0.2 smd: 1(-2.45,1.8) 2(-2.45,1.4) 3(-2.45,1) 4(-2.45,0.6) 5(-2.45,0.2) 6(-2.45,-0.2) 7(-2.45,-0.6) 8(-2.45,-1) 9(-2.45,-1.4) 10(-2.45,-1.8) 21(2.45,-1.8) 22(2.45,-1.4) 23(2.45,-1) 24(2.45,-0.6) 25(2.45,-0.2) 26(2.45,0.2) 27(2.45,0.6) 28(2.45,1) 29(2.45,1.4) 30(2.45,1.8)
  rrect50% 0.2x0.7 smd: 11(-1.8,-2.45) 12(-1.4,-2.45) 13(-1,-2.45) 14(-0.6,-2.45) 15(-0.2,-2.45) 16(0.2,-2.45) 17(0.6,-2.45) 18(1,-2.45) 19(1.4,-2.45) 20(1.8,-2.45) 31(1.8,2.45) 32(1.4,2.45) 33(1,2.45) 34(0.6,2.45) 35(0.2,2.45) 36(-0.2,2.45) 37(-0.6,2.45) 38(-1,2.45) 39(-1.4,2.45) 40(-1.8,2.45)
  rrect16% 3.8x3.8 smd: 41(0,0)
  silkscreen extent -2.92,-2.5 2.5,2.92, body extent -2.5,-2.51 2.5,2.5, height 0.9
QFN50P1000X1000X90-73N [mm]
  rrect25% 0.84x0.27 smd: 1(-4.935,4.25) 2(-4.935,3.75) 3(-4.935,3.25) 4(-4.935,2.75) 5(-4.935,2.25) 6(-4.935,1.75) 7(-4.935,1.25) 8(-4.935,0.75) 9(-4.935,0.25) 10(-4.935,-0.25) 11(-4.935,-0.75) 12(-4.935,-1.25) 13(-4.935,-1.75) 14(-4.935,-2.25) 15(-4.935,-2.75) 16(-4.935,-3.25) 17(-4.935,-3.75) 18(-4.935,-4.25) 37(4.935,-4.25) 38(4.935,-3.75) 39(4.935,-3.25) 40(4.935,-2.75) 41(4.935,-2.25) 42(4.935,-1.75) 43(4.935,-1.25) 44(4.935,-0.75) 45(4.935,-0.25) 46(4.935,0.25) 47(4.935,0.75) 48(4.935,1.25) 49(4.935,1.75) 50(4.935,2.25) 51(4.935,2.75) 52(4.935,3.25) 53(4.935,3.75) 54(4.935,4.25)
  rrect25% 0.27x0.84 smd: 19(-4.25,-4.935) 20(-3.75,-4.935) 21(-3.25,-4.935) 22(-2.75,-4.935) 23(-2.25,-4.935) 24(-1.75,-4.935) 25(-1.25,-4.935) 26(-0.75,-4.935) 27(-0.25,-4.935) 28(0.25,-4.935) 29(0.75,-4.935) 30(1.25,-4.935) 31(1.75,-4.935) 32(2.25,-4.935) 33(2.75,-4.935) 34(3.25,-4.935) 35(3.75,-4.935) 36(4.25,-4.935) 55(4.25,4.935) 56(3.75,4.935) 57(3.25,4.935) 58(2.75,4.935) 59(2.25,4.935) 60(1.75,4.935) 61(1.25,4.935) 62(0.75,4.935) 63(0.25,4.935) 64(-0.25,4.935) 65(-0.75,4.935) 66(-1.25,4.935) 67(-1.75,4.935) 68(-2.25,4.935) 69(-2.75,4.935) 70(-3.25,4.935) 71(-3.75,4.935) 72(-4.25,4.935)
  rect 6.2x6.2 smd paste-4: 73(0,0)
  silkscreen extent -6.07,-5 5,5, body extent -5,-5 5,5, height 0.85
R0201 [mm] "Creator MM"
  rect 0.3x0.3 smd mask+0.04: 1(-0.265,0) 2(0.265,0)
  body extent -0.3,-0.15 0.3,0.15, height 0.32
R0402 [mm]
  rect 0.5x0.6 smd: 1(-0.5,0) 2(0.5,0)
  body extent -0.5,-0.25 0.5,0.25, height 0.4
R1206B/3216MM [mm] "Chip Resistor, 2-Leads, Body 3.2x1.6mm, IPC Medium Density"
  rect 1.3x1.8 smd: 1(-1.5,0) 2(1.5,0)
  silkscreen extent -0.45,-0.8 0.45,0.8, body extent -1.6,-0.8 1.6,0.8, height 0.6
SOD_523 [mil]
  rect 20x14 smd paste+0: 1(-31.5,0) 2(31.5,0)
  silkscreen extent -30,-19 57,19, body extent -34,-17 34,17, height 18
sod_523 [mil]
  rect 20x14 smd paste+0: 1(-31.5,0) 2(31.5,0)
  silkscreen extent -30,-19 57,19, body extent -34,-17 34,17, height 18
SOP50P810X120-56N [mil]
  rect 58x11 smd: 1(-149,266) 2(-149,246) 3(-149,226) 4(-149,207) 5(-149,187) 6(-149,167) 7(-149,148) 8(-149,128) 9(-149,108) 10(-149,89) 11(-149,69) 12(-149,49) 13(-149,30) 14(-149,10) 15(-149,-10) 16(-149,-30) 17(-149,-49) 18(-149,-69) 19(-149,-89) 20(-149,-108) 21(-149,-128) 22(-149,-148) 23(-149,-167) 24(-149,-187) 25(-149,-207) 26(-149,-226) 27(-149,-246) 28(-149,-266) 29(149,-266) 30(149,-246) 31(149,-226) 32(149,-207) 33(149,-187) 34(149,-167) 35(149,-148) 36(149,-128) 37(149,-108) 38(149,-89) 39(149,-69) 40(149,-49) 41(149,-30) 42(149,-10) 43(149,10) 44(149,30) 45(149,49) 46(149,69) 47(149,89) 48(149,108) 49(149,128) 50(149,148) 51(149,167) 52(149,187) 53(149,207) 54(149,226) 55(149,246) 56(149,266)
  silkscreen extent -108,-278 108,278, body extent -159,-276 159,276, height 47
SOT23-5 [mm]
  rect 1x0.6 smd: 1(-1.2,0.95) 2(-1.2,0) 3(-1.2,-0.95) 4(1.2,-0.95) 5(1.2,0.95)
  silkscreen extent -0.85,-1.5 0.85,1.5, body extent -1.17,-1.46 1.17,1.46, height 1
SOT23-6 [mm]
  rrect25% 1.21x0.58 smd: 1(-1.255,0.95) 2(-1.255,0) 3(-1.255,-0.95) 4(1.255,-0.95) 5(1.255,0) 6(1.255,0.95)
  silkscreen extent -2.39,-1.52 0.84,1.5, body extent -1.4,-1.45 1.4,1.45, height 1.45
sot_523 [mm]
  rrect25% 0.6x0.4 smd: 1(-0.62,0.5) 2(-0.62,-0.5)
  rrect20% 0.6x0.5 smd: 3(0.62,0)
  silkscreen extent -0.4,-0.8 0.4,0.8, body extent -0.8,-0.8 0.8,0.8, height 0.8
SW_416131160808 [mm]
  rect 1.27x0.76 smd: 1(-3.81,4.445) 2(-3.81,3.175) 3(-3.81,1.905) 4(-3.81,0.635) 5(-3.81,-0.635) 6(-3.81,-1.905) 7(-3.81,-3.175) 8(-3.81,-4.445) 9(3.81,-4.445) 10(3.81,-3.175) 11(3.81,-1.905) 12(3.81,-0.635) 13(3.81,0.635) 14(3.81,1.905) 15(3.81,3.175) 16(3.81,4.445)
  silkscreen extent -5.21,-5.67 2.9,5.67, body extent -4.22,-5.66 4.22,5.67, height 2.7
SW_TL3330_EWI [mil]
  rect 35x50 smd paste+0 mask+0: 1(-82.68,35) 2(82.68,35)
  rect 57x32 smd paste-28.5 mask-28.5: 3(-132.87,-40) 4(132.87,-40)
  silkscreen extent -198,-74 158,74, body extent -154,-91 154,51, height 138
"Test Point 1 MM" [mm] "Test Point 1 MM"
  round 1 smd: 0(0,0)
  silkscreen extent -0.75,-0.75 0.75,0.75
TP20_SMD [mil] "TP20_SMD"
  round 18 smd: 1(0,0)
  silkscreen extent -20,-20 20,20
TP_40X65 [mil] "TP_40X65"
  round 65 hole 40: 1(0,0)
  silkscreen extent -47,-47 47,47